# Altium PCB PCB1.PcbDoc (part 2 of 2)
Units mm, origin at the board's own origin, x right, y up, seen from the top; angles counter-clockwise.
Board outline 101.35 x 80.26 mm, 2 copper layers (Top Layer, Bottom Layer); 77 components, 109 nets, 309 pads, 77 vias.
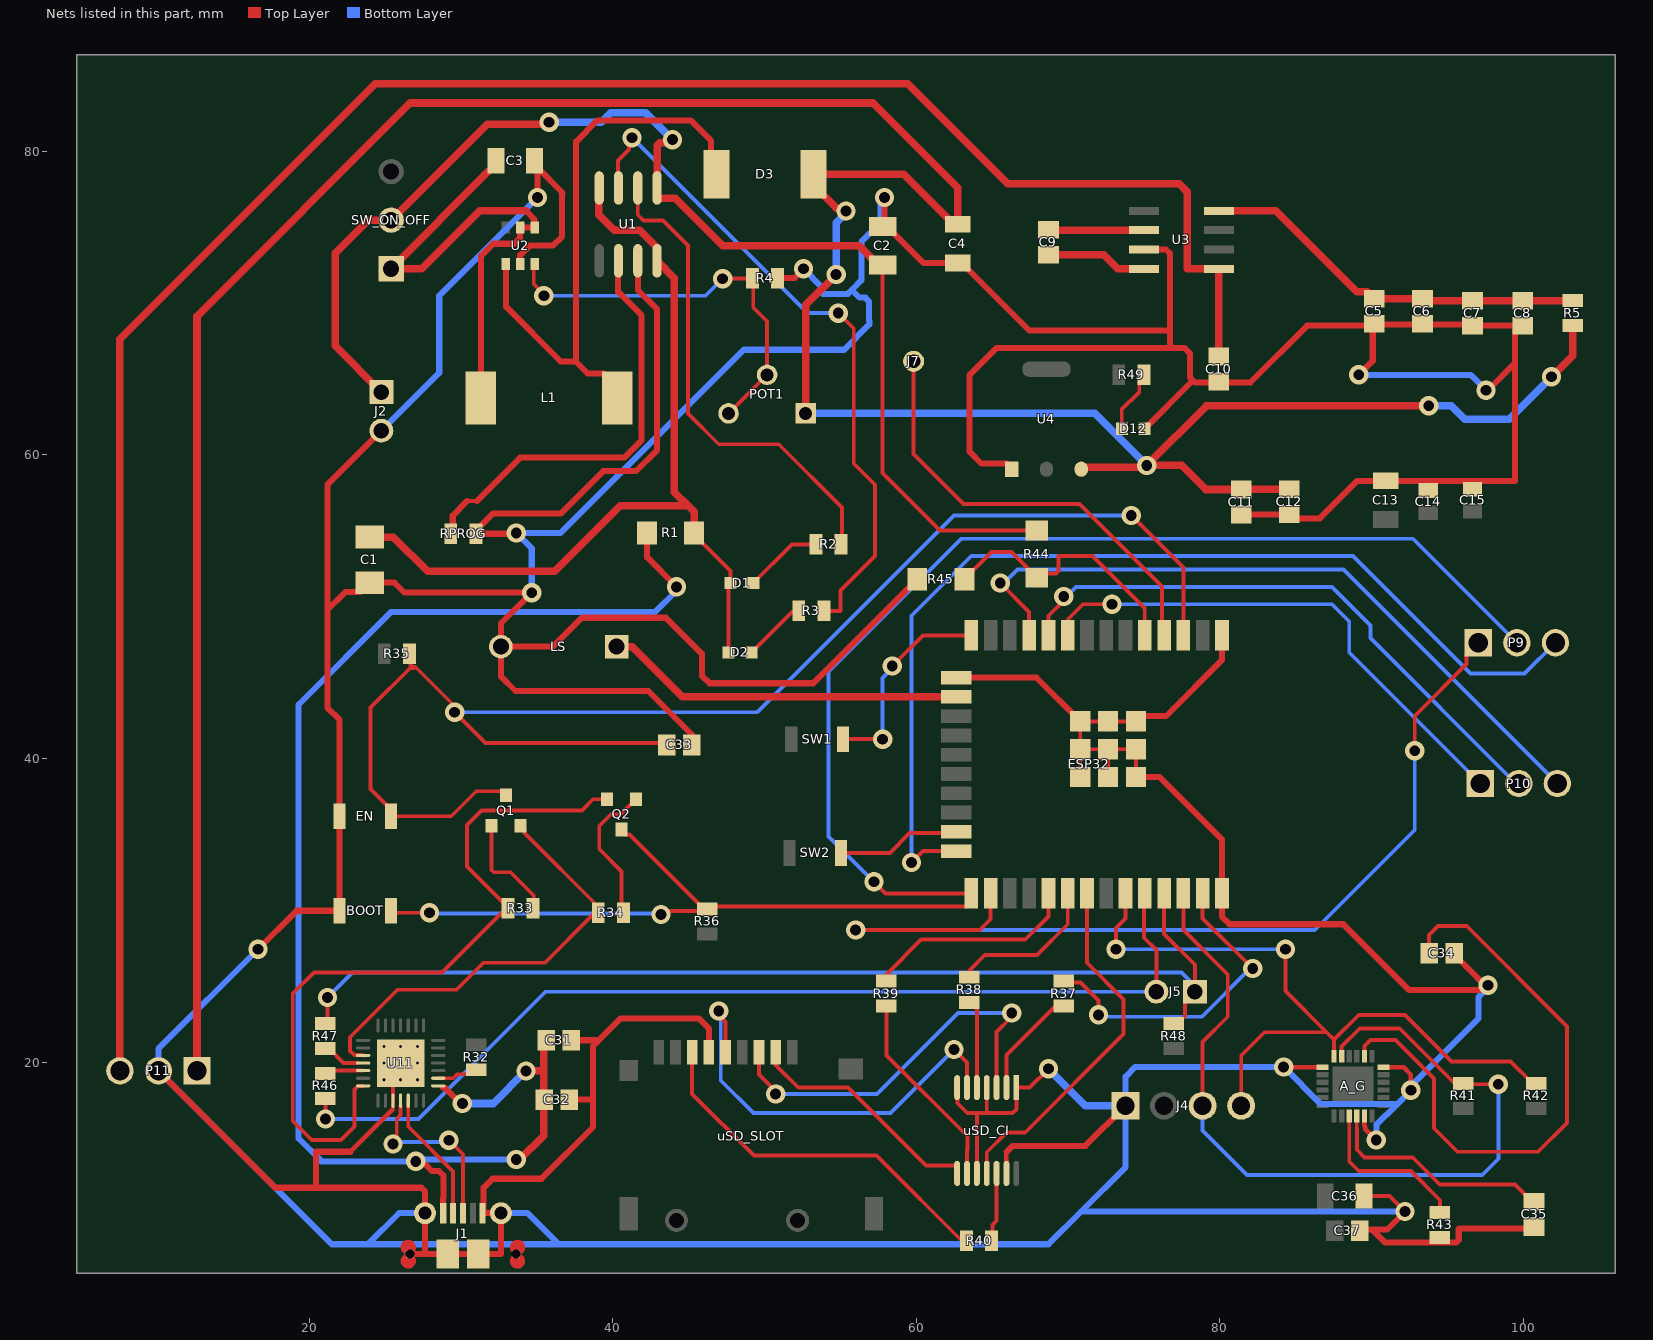
[diagram p2: the nets of this part, all layers, seen from the top]

## Via types
v1: diameter 1.27, hole 0.711, Top Layer to Bottom Layer, 64 vias
v2: diameter 0.5, hole 0.2, Top Layer to Bottom Layer, 13 vias

## Nets (pads, with @x,y where several pads share a name; then routed paths per layer and width w, separated by ;. In a path a pad name is that pad's centre, name@x,y a point inside that pad or via, vN(x,y) a via of type N, cw(c..) or ccw(c..) an arc to the next point about the centre after c; other vN are vias at no path point) (continued)
5V: C4.1 C11.2 C12.2 D3.1 P11.1 POT1.1 R5.1 U4.3 | length 211.4
  Top Layer w0.254: D3.1@53.243,77.746 D3.1@53.243,78.486 ; 54.722,76.267 55.178,76.267 v1(55.372,76.073) ; C4.1@62.462,75.19 C4.1@62.738,75.19 ; U4.3@70.87,59.062 U4.3@70.994,59.186 ; v1@75.061,59.186 v1(75.184,59.309) ; C11.2@81.407,57.723 C11.2@81.435,57.752
  Top Layer w0.5: P11.1@12.619,19.426 12.619,69.134 26.67,83.185 57.15,83.185 62.738,77.597 C4.1@62.738,75.19 ; POT1.1@52.717,62.738 52.717,69.877 v1(54.722,71.882) ; D3.1@53.243,77.746 54.722,76.267 ; D3.1@53.243,78.486 59.166,78.486 C4.1@62.462,75.19 ; U4.3@70.994,59.186 v1@75.061,59.186 ; C11.2@81.407,57.723 79.068,57.723 77.482,59.309 v1(75.184,59.309) 79.121,63.246 v1(93.765,63.246) ; C11.2@81.435,57.752 C12.2@84.582,57.752 ; v1(101.854,65.151) 103.251,66.548 R5.1@103.251,68.517
  Bottom Layer w0.254: v1@55.372,75.937 v1(55.372,76.073)
  Bottom Layer w0.5: POT1.1@52.717,62.738 71.755,62.738 v1(75.184,59.309) ; v1(54.722,71.882) 54.722,75.287 v1@55.372,75.937 ; v1(93.765,63.246) 95.25,63.246 96.139,62.357 99.06,62.357 v1(101.854,65.151)
"(LA\"+LL\")/2": 
(LA'+LL')/2: 
"(RA\"+LA\")/2": 
"(RA\"+LL\")/2": 
(RA'+LA')/2: 
(RA'+LL')/2: 
-5V: C10.2 P11.3 U3.5 | length 141.3
  Top Layer w0.254: C10.2@79.693,66.675 C10.2@79.935,66.917
  Top Layer w0.5: P11.3@7.539,19.426 7.539,67.628 24.366,84.455 59.436,84.455 66.04,77.851 77.321,77.851 77.851,77.321 77.851,72.263 U3.5@79.935,72.263 C10.2@79.935,66.917
BAT: C2.2 J2.1 R44.2 SW_ON_OFF.2 U1.5 | length 84.1
  Top Layer w0.254: v1@35.696,81.797 v1(35.814,81.915) ; U1.5@42.926,77.59 42.926,77.077 U1.5@43.086,76.917 ; v1@43.748,80.578 v1(43.942,80.772) ; C2.2@57.51,72.512 C2.2@57.785,72.512 ; C2.2@58.293,72.512 57.785,72.004 57.785,58.801 61.569,55.017 R44.2@67.945,55.017
  Top Layer w0.5: J2.1@24.765,64.135 21.717,67.183 21.717,73.279 23.901,75.463 SW_ON_OFF.2@25.408,75.463 31.741,81.797 v1@35.696,81.797 ; U1.5@42.926,77.59 42.926,80.391 43.113,80.578 v1@43.748,80.578 ; U1.5@43.086,76.917 44.114,76.917 47.244,73.787 56.235,73.787 C2.2@57.51,72.512
  Bottom Layer w0.5: v1(35.814,81.915) 39.243,81.915 39.878,82.55 42.164,82.55 v1(43.942,80.772)
"Battery Charge": ESP32.5 R44.1 R45.2 | length 17.7
  Top Layer w0.254: R45.2@63.171,51.816 64.949,53.594 66.268,53.594 R44.1@67.945,51.917 68.225,52.197 69.219,52.197 69.368,52.346 69.368,53.34 71.602,53.34 75.057,49.885 ESP32.5@75.057,48.115
BZZ: ESP32.16 LS.1 | length 23.7
  Top Layer w0.5: LS.1@40.259,47.371 41.275,47.371 44.586,44.06 ESP32.16@62.627,44.06
CS: ESP32.29 R39.1 | length 14.2
  Top Layer w0.254: R39.1@58.039,25.388 58.039,25.781 60.325,28.067 67.183,28.067 68.707,29.591 ESP32.29@68.707,31.115
CS_LLS: uSD_CI.8 uSD_SLOT.2 | length 16.6
  Top Layer w0.254: uSD_SLOT.2@50.737,21.248 50.737,19.812 52.23,18.319 55.499,18.319 60.639,13.179 62.634,13.179 62.693,13.12 uSD_CI.8@62.693,12.669
CTW: 
CTW': 
D0_LLS: R40.1 uSD_SLOT.7 | length 25.9
  Top Layer w0.254: uSD_SLOT.7@45.237,21.248 45.237,17.906 49.3,13.843 57.389,13.843 63.231,8.001 63.285,8.001 63.512,8.228 R40.1@63.512,8.128
D+: J1.3 U11.4 | length 11.7
  Top Layer w0.254: v1(25.535,14.605) 25.781,14.851 25.781,16.264 26.027,16.51 U11.4@26.027,17.116 ; v1(29.21,14.859) 30.139,13.93 J1.3@30.139,10.049
  Bottom Layer w0.254: v1(25.535,14.605) 25.662,14.732 29.083,14.732 v1(29.21,14.859)
D-: J1.2 U11.5 | length 8.6
  Top Layer w0.254: U11.5@26.535,17.464 26.535,15.754 29.489,12.8 J1.2@29.489,10.049
DI_LLS: uSD_CI.3 uSD_SLOT.3 | length 26.9
  Top Layer w0.254: uSD_SLOT.3@49.637,21.248 49.637,19.197 50.737,18.097 v1(50.737,17.906) ; uSD_CI.3@65.293,18.319 65.293,21.986 66.294,22.987 v1(66.294,23.241)
  Bottom Layer w0.254: v1(50.737,17.906) 57.403,17.906 62.738,23.241 v1(66.294,23.241)
GND: A_G.1 A_G.11 A_G.18 BOOT.1 C1.1 C2.1 C3.2 C4.2 C5.1 C6.1 C7.1 C8.1 C10.1 C11.1 C12.1 C13.1 C14.1 C15.1 C31.1 C32.1 C33.1 C34.2 C35.1 C36.2 C37.1 D12.1 EN.1 ESP32.1 ESP32.15 ESP32.38 ESP32.39 J1.5 J1.6 J1.7 J1.8 J1.9 J1.10 J1.11 J2.2 J4.1 LS.2 P11.2 R4.1 R43.1 R45.1 RPROG.1 U1.3 U2.2 U3.3 U4.1 U11.3 U11.29 uSD_CI.1 uSD_CI.4 uSD_CI.7 uSD_CI.10 uSD_CI.13 uSD_SLOT.6 | length 705.2
  Top Layer w0.254: 20.447,11.725 20.574,11.725 20.447,11.852 ; C1.1@23.38,50.963 C1.1@24.003,51.586 ; 25.516,16.89 25.516,17.445 U11.3@25.535,17.464 25.535,19.439 v2(26.035,19.939) ; J1.8@26.518,7.349 26.518,7.55 26.518,8.048 ; 27.639,7.523 27.813,7.349 ; RPROG.1@30.763,54.809 RPROG.1@30.789,54.809 ; J1.5@31.439,10.049 J1.5@31.443,10.049 ; v1@33.6,54.809 v1(33.655,54.864) ; C3.2@34.859,79.375 35.052,79.182 C3.2@35.052,78.906 ; 36.668,77.22 36.703,77.255 ; 38.886,21.439 38.989,21.336 ; C33.1@45.224,40.894 45.224,41.584 ; R4.1@50.537,71.628 R4.1@50.537,71.654 ; v1@52.578,72.237 v1(52.578,72.263) ; C2.1@57.912,75.189 C2.1@57.785,75.062 C2.1@58.06,75.062 ; R45.1@59.448,51.193 59.548,51.193 60.071,51.716 R45.1@60.071,51.816 ; uSD_CI.7@62.693,18.319 62.717,18.295 62.717,17.293 63.361,16.649 63.881,16.649 ; C4.2@62.738,72.638 C4.2@63.014,72.638 ; uSD_CI.10@63.993,12.669 63.993,16.537 63.881,16.649 ; uSD_CI.4@64.643,18.319 64.643,16.798 64.792,16.649 ; uSD_CI.13@65.943,12.669 65.967,12.693 uSD_CI.13@65.967,13.488 ; U4.1@65.981,59.437 66.29,59.128 U4.1@66.29,59.062 ; v1(68.707,19.558) 67.468,18.319 uSD_CI.1@66.593,18.319 66.593,16.891 66.351,16.649 64.792,16.649 ; ESP32.39@70.802,38.78 ESP32.39@70.802,40.615 ; ESP32.39@72.637,38.78 ESP32.39@72.637,40.615 ; ESP32.39@74.472,38.78 ESP32.39@74.472,40.615 ESP32.39@72.637,40.615 ; ESP32.39@74.821,42.799 ESP32.39@74.472,42.45 ESP32.39@72.637,42.45 ESP32.39@70.802,42.45 ESP32.39@70.802,40.615 ; 76.708,67.332 76.958,67.082 77.634,67.082 77.66,67.056 ; 78.2,64.877 78.2,64.929 ; v1(84.201,19.685) v1@84.211,19.675 ; C12.1@84.554,56.069 C12.1@84.582,56.097 ; A_G.1@86.763,19.675 A_G.1@86.773,19.665 ; C36.2@89.499,11.176 91.186,11.176 v1(92.202,10.16) ; 89.523,15.801 89.579,15.746 ; C5.1@90.009,68.516 C5.1@90.073,68.58 ; C34.2@95.442,27.077 C34.2@95.442,27.178 ; v1@97.357,24.765 v1@97.555,24.963 ; v1(97.536,64.262) v1@97.663,64.262 ; C8.1@99.441,68.296 C8.1@99.471,68.326 ; 63.881,16.649 64.792,16.649 ; ESP32.39@70.802,40.615 ESP32.39@72.637,40.615
  Top Layer w0.3: 22.723,14.097 25.516,16.89 ; uSD_CI.13@65.943,12.669 65.943,14.07 ; v1@84.211,19.675 A_G.1@86.763,19.675 ; 89.523,15.801 A_G.11@89.523,16.44 ; 89.579,15.746 89.579,15.589 v1(90.297,14.871) ; A_G.18@90.773,19.665 92.103,19.665 92.583,19.185 v1(92.583,18.142)
  Top Layer w0.4: P11.2@10.079,19.426 17.78,11.725 20.447,11.725 ; v1(16.637,27.432) 19.177,29.972 BOOT.1@22.008,29.972 EN.1@22.008,36.195 22.008,42.559 21.209,43.358 21.209,49.784 ; 20.447,11.852 20.447,14.097 22.723,14.097 ; 20.574,11.725 27.395,11.725 27.639,11.481 J1.6@27.639,10.049 27.639,7.523 ; C1.1@23.38,50.963 22.388,50.963 21.209,49.784 ; C1.1@24.003,51.586 25.63,51.586 26.289,50.927 v1(34.671,50.927) 32.639,48.895 LS.2@32.639,47.371 ; J2.2@24.765,61.595 21.209,58.039 21.209,49.784 ; J1.8@26.518,7.349 J1.8@26.639,7.349 27.813,7.349 J1.9@29.139,7.349 J1.10@31.139,7.349 32.639,7.349 J1.7@32.639,10.049 31.443,10.049 31.496,10.102 31.496,11.725 32.09,12.319 35.306,12.319 38.714,15.727 38.714,17.526 ; v1@33.6,54.809 RPROG.1@30.987,54.809 30.789,54.809 32.114,56.134 36.576,56.134 39.37,58.928 41.537,58.928 42.926,60.317 42.926,69.596 41.656,70.866 U1.3@41.656,72.79 ; U2.2@33.909,72.587 33.909,73.152 34.544,73.787 36.068,73.787 36.668,74.387 36.668,77.22 ; v1(35.052,76.962) 35.052,78.906 36.703,77.255 ; C32.1@37.149,17.526 38.714,17.526 ; C31.1@37.276,21.439 38.886,21.439 ; 45.224,41.584 42.358,44.45 33.6,44.45 32.639,45.411 LS.2@32.639,47.371 ; uSD_SLOT.6@46.337,21.248 46.337,22.224 45.701,22.86 40.513,22.86 38.989,21.336 38.714,21.061 38.714,17.526 ; R4.1@50.537,71.654 51.994,71.654 v1@52.578,72.237 ; C2.1@57.912,75.189 v1(57.912,76.962) ; C2.1@58.06,75.062 60.484,72.638 C4.2@62.738,72.638 ; R45.1@59.448,51.193 53.213,44.958 46.382,44.958 45.874,45.466 45.874,46.904 43.502,49.276 37.973,49.276 36.068,47.371 LS.2@32.639,47.371 ; ESP32.15@62.627,45.33 67.922,45.33 ESP32.39@70.802,42.45 ; C4.2@63.014,72.638 67.453,68.199 76.708,68.199 ; 65.943,14.07 66.351,14.478 71.14,14.478 J4.1@73.787,17.125 ; U4.1@65.981,59.437 64.289,59.437 63.512,60.214 63.512,65.278 65.29,67.056 77.66,67.056 78.041,66.675 78.041,65.088 78.2,64.929 78.359,64.77 82.009,64.77 85.755,68.516 C5.1@90.009,68.516 ; ESP32.39@74.472,38.78 76.028,38.78 80.137,34.671 ESP32.38@80.137,31.115 80.137,29.591 80.645,29.083 88.138,29.083 92.456,24.765 v1@97.357,24.765 ; ESP32.39@74.821,42.799 76.454,42.799 80.137,46.482 ESP32.1@80.137,48.115 ; U3.3@75.005,73.533 76.454,73.533 76.708,73.279 76.708,68.199 ; D12.1@75.045,61.722 78.2,64.877 ; 76.708,67.332 76.708,68.199 ; C11.1@81.407,56.069 C12.1@84.554,56.069 ; C12.1@84.582,56.097 84.856,55.823 86.579,55.823 89.049,58.293 93.726,58.293 ; v1(89.154,65.278) 90.073,66.197 90.073,68.58 96.582,68.58 C7.1@96.647,68.515 C8.1@99.949,68.515 ; C37.1@89.747,8.976 91.018,8.976 v1(92.202,10.16) ; 90.074,8.925 90.871,8.128 95.59,8.128 95.739,8.277 95.739,8.998 95.793,9.052 C35.1@100.995,9.052 ; C14.1@93.726,57.658 93.726,58.293 ; C34.2@95.442,27.077 96.247,26.272 v1@97.555,24.963 ; C15.1@96.647,57.75 96.647,58.293 ; v1@97.663,64.262 99.441,66.04 ; C8.1@99.441,68.296 99.441,66.04 ; 93.726,58.293 96.647,58.293 ; 96.647,58.293 99.441,58.293 99.441,66.04
  Bottom Layer w0.254: 56.896,68.834 56.918,68.812 ; v1@57.658,76.708 v1(57.912,76.962) ; v1(90.297,14.871) v1@90.309,14.883 ; 90.932,16.51 90.951,16.51 ; v1(92.583,18.142) v1@92.583,18.415 ; v1@97.663,24.904 v1(97.663,25.071)
  Bottom Layer w0.4: v1(16.637,27.432) 10.079,20.874 P11.2@10.079,19.426 21.504,8.001 23.876,8.001 ; J2.2@24.765,61.595 28.575,65.405 28.575,70.485 v1(35.052,76.962) ; J1.6@27.639,10.049 25.924,10.049 23.876,8.001 ; J1.7@32.639,10.049 34.401,10.049 36.449,8.001 ; v1(34.671,50.927) 34.671,53.848 v1(33.655,54.864) 36.576,54.864 48.641,66.929 55.245,66.929 56.918,68.602 56.918,68.812 ; v1(52.578,72.263) 53.721,71.12 53.721,70.761 53.87,70.612 55.499,70.612 55.753,70.866 ; 56.896,68.834 56.896,70.104 56.642,70.358 56.261,70.358 55.753,70.866 ; v1@57.658,76.708 57.658,75.311 56.388,74.041 56.388,71.501 55.753,70.866 ; v1(89.154,65.278) 96.52,65.278 v1(97.536,64.262) ; v1@90.309,14.883 90.309,15.887 90.932,16.51 ; 90.951,16.51 91.675,17.234 ; v1(92.202,10.16) 70.866,10.16 ; v1(92.583,18.142) 91.675,17.234 ; v1@92.583,18.415 97.028,22.86 97.028,24.269 v1@97.663,24.904 ; 23.876,8.001 36.449,8.001 ; 36.449,8.001 68.707,8.001 70.866,10.16 ; 70.866,10.16 73.787,13.081 J4.1@73.787,17.125 73.787,19.05 74.422,19.685 v1(84.201,19.685) 86.652,17.234 91.675,17.234
  Bottom Layer w0.5: v1(68.707,19.558) 71.14,17.125 J4.1@73.787,17.125
  other v2: 24.935,18.839 26.035,18.839 27.135,18.839 24.935,19.939 27.135,19.939 24.935,21.039 26.035,21.039 27.135,21.039
LA: 
"LA\"": 
LA': 
LL: 
"LL\"": 
LL': 
MISO: ESP32.31 uSD_CI.11 | length 23.9
  Top Layer w0.254: uSD_CI.11@64.643,12.669 64.643,14.067 65.943,15.367 67.183,15.367 73.66,21.844 73.66,24.13 71.247,26.543 ESP32.31@71.247,31.115
MOSI: ESP32.37 R37.1 | length 21.9
  Top Layer w0.254: R37.1@69.469,25.515 69.742,25.242 70.822,25.242 72.009,24.055 v1(72.009,23.114) ; ESP32.37@78.867,31.115 78.867,29.464 v1(82.169,26.162)
  Bottom Layer w0.254: v1@72.009,22.987 78.817,22.987 81.992,26.162 v1(82.169,26.162)
MUX1: 
MUX2: 
NetA_G_9: A_G.9 R43.2 | length 10.5
  Top Layer w0.254: A_G.9@88.523,16.44 88.523,13.458 89.154,12.827 92.583,12.827 94.512,10.898 R43.2@94.512,10.414
NetA_G_10: A_G.10 C35.2 | length 15.3
  Top Layer w0.254: A_G.10@89.023,16.44 89.023,15.634 89.031,15.626 89.031,14.224 89.539,13.716 92.71,13.716 94.488,11.938 99.455,11.938 100.598,10.795 C35.2@100.699,10.795
NetA_G_20: A_G.20 C34.1 | length 39.6
  Top Layer w0.254: A_G.20@89.523,20.39 89.523,21.07 89.916,21.463 91.567,21.463 94.107,18.923 94.107,15.645 95.655,14.097 100.965,14.097 102.87,16.002 102.87,22.352 96.266,28.956 94.361,28.956 93.788,28.383 C34.1@93.788,27.178
NetC1_2: C1.2 D1.2 D2.2 R1.1 U1.4 U1.8 | length 59
  Top Layer w0.254: U1.8@39.087,77.561 U1.8@39.116,77.59 ; U1.4@42.926,72.79 U1.4@42.926,73.661 ; R1.1@45.365,54.864 45.365,54.764 47.764,52.365 D1.2@47.764,51.562 47.637,51.435 D2.2@47.637,46.99
  Top Layer w0.5: C1.2@24.003,54.586 25.551,54.586 27.813,52.324 36.195,52.324 40.513,56.642 44.984,56.642 ; U1.8@39.087,77.561 39.087,75.819 40.102,74.804 41.783,74.804 U1.4@42.926,73.661 ; U1.4@42.926,72.79 44.069,71.647 44.069,57.557 44.984,56.642 ; R1.1@45.365,54.864 45.365,56.261 44.984,56.642
NetC3_1: C3.1 L1.1 SW_ON_OFF.1 U2.4 U2.5 | length 35.9
  Top Layer w0.254: C3.1@31.818,78.673 31.881,78.673 32.306,79.099 C3.1@32.306,79.375
  Top Layer w0.4: L1.1@31.314,63.754 31.314,73.097 32.131,73.914 33.528,73.914 33.909,74.295 U2.5@33.909,74.987 U2.4@34.859,74.987 34.859,75.504 34.29,76.073
  Top Layer w0.5: C3.1@31.818,78.673 SW_ON_OFF.1@25.408,72.263 27.432,72.263 31.242,76.073 34.29,76.073
NetC5_2: C5.2 C6.2 C7.2 C8.2 R5.2 U3.8 | length 25.8
  Top Layer w0.254: C5.2@89.718,70.748 C5.2@90.17,70.296 ; C6.2@93.345,70.296 C6.2@93.472,70.169 ; C8.2@99.949,70.169 C8.2@99.951,70.167
  Top Layer w0.5: U3.8@79.935,76.073 83.693,76.073 89.018,70.748 C5.2@89.718,70.748 ; C5.2@90.17,70.296 C6.2@93.345,70.296 ; C6.2@93.472,70.169 C7.2@96.647,70.169 C8.2@99.949,70.169 ; C8.2@99.951,70.167 R5.2@103.251,70.167
NetC9_1: C9.1 U3.4 | length 6.7
  Top Layer w0.5: C9.1@68.707,73.184 72.358,73.184 73.279,72.263 U3.4@75.005,72.263
NetC9_2: C9.2 U3.2 | length 6.3
  Top Layer w0.5: C9.2@68.708,74.803 U3.2@75.005,74.803
NetC16_2: 
NetC17_1: 
NetC18_1: 
NetC19_2: 
NetC22_2: 
NetC24_2: 
NetC25_1: 
NetC26_1: 
NetC27_1: 
NetC27_2: 
NetC29_2: 
NetC30_2: 
NetC33_2: C33.2 EN.2 ESP32.3 Q1.3 R35.2 | length 98.9
  Top Layer w0.254: R35.2@26.67,46.355 26.67,46.164 26.718,46.164 26.909,45.974 ; Q1.3@32.979,37.576 32.709,37.846 31.018,37.846 29.367,36.195 EN.2@25.408,36.195 25.408,36.645 24.054,37.999 24.054,43.358 26.67,45.974 26.909,45.974 ; C33.2@43.57,40.894 43.443,41.021 31.623,41.021 v1(29.591,43.053) 29.397,43.247 29.397,43.643 26.995,46.045 26.98,46.045 26.909,45.974 ; v1(74.168,56.007) 77.597,52.578 ESP32.3@77.597,48.115 ESP32.3@77.619,48.137
  Bottom Layer w0.254: v1(29.591,43.053) 49.53,43.053 62.484,56.007 v1(74.168,56.007)
NetD1_1: D1.1 R2.2 | length 5.2
  Top Layer w0.254: D1.1@49.264,51.562 51.804,54.102 R2.2@53.404,54.102
NetD2_1: D2.1 R3.2 | length 4.3
  Top Layer w0.254: D2.1@49.137,46.99 51.804,49.657 52.192,49.657 R3.2@52.261,49.726
NetD3_2: D3.2 L1.2 U2.1 | length 40
  Top Layer w0.254: U2.1@32.959,72.587 U2.1@32.979,72.567 ; 37.551,66.167 37.592,66.167 ; L1.2@39.441,65.377 40.314,64.504 L1.2@40.314,63.754 ; D3.2@46.482,78.837 D3.2@46.833,78.486
  Top Layer w0.4: U2.1@32.979,72.567 32.979,69.753 36.565,66.167 37.551,66.167 38.341,65.377 L1.2@39.441,65.377 ; 37.592,66.167 37.592,80.645 38.989,82.042 45.145,82.042 46.482,80.705 D3.2@46.482,78.837
NetD10_2: 
NetD12_2: D12.2 R49.2 | length 4.2
  Top Layer w0.254: D12.2@73.545,61.722 73.533,61.734 73.533,62.992 74.695,64.154 74.695,64.98 R49.2@74.993,65.278
NetPOT1_2: POT1.2 POT1.3 R4.2 U2.3 | length 27
  Top Layer w0.254: U2.3@34.859,72.587 34.798,72.526 34.798,71.252 35.468,70.582 v1(35.468,70.485) ; v1(47.244,71.607) 47.265,71.628 R4.2@49.213,71.628 R4.2@49.285,71.628 ; POT1.3@47.637,62.738 POT1.2@50.177,65.278 50.177,68.81 49.264,69.723 R4.2@49.264,71.607
  Bottom Layer w0.254: v1(35.468,70.485) 46.122,70.485 v1(47.244,71.607)
NetPOT2_1: 
NetPOT2_3: 
NetPOT5_3: 
NetPOT6_2: 
NetPOT7_3: 
NetPOT8_2: 
NetPOT9_2: 
NetQ1_1: Q1.1 R33.2 | length 7.3
  Top Layer w0.254: Q1.1@32.029,35.576 32.029,32.661 32.178,32.512 33.274,32.512 34.798,30.988 34.798,30.17 R33.2@34.754,30.126
NetQ1_2: Q1.2 R34.1 U11.24 | length 29.4
  Top Layer w0.254: U11.24@23.56,20.439 23.541,20.458 22.986,20.458 22.704,20.74 22.704,21.638 25.831,24.765 29.718,24.765 31.496,26.543 35.531,26.543 38.714,29.726 38.814,29.726 39.087,29.999 39.087,30.099 39.087,30.199 34.202,35.084 34.202,35.303 Q1.2@33.929,35.576
NetQ2_1: Q2.1 R34.2 | length 9.3
  Top Layer w0.254: R34.2@40.587,30.099 40.587,32.565 39.116,34.036 39.116,35.56 39.878,36.322 40.537,36.322 41.214,36.999 41.264,36.999 41.537,37.272 Q2.1@41.537,37.322
NetQ2_2: Q2.2 R33.1 U11.28 | length 49.3
  Top Layer w0.254: U11.28@23.56,18.439 23.239,18.439 22.987,18.187 22.987,18.165 22.986,18.164 22.986,15.754 22.103,14.871 20.181,14.871 18.923,16.129 18.923,24.511 20.32,25.908 28.761,25.908 32.979,30.126 32.979,30.326 30.412,32.893 30.412,35.619 31.369,36.576 37.973,36.576 38.719,37.322 Q2.2@39.637,37.322
NetR2_1: R2.1 U1.6 | length 32.2
  Top Layer w0.254: U1.6@41.656,77.59 41.656,75.819 42.037,75.438 43.307,75.438 44.958,73.787 44.958,62.738 46.99,60.706 50.939,60.706 55.109,56.536 R2.1@55.109,53.975
NetR3_1: R3.1 U1.7 | length 44.7
  Top Layer w0.254: U1.7@40.386,77.59 40.364,77.613 40.364,79.397 41.081,80.114 41.081,80.705 v1(41.275,80.899) ; R3.1@53.911,49.726 54.98,49.726 55.015,49.76 55.015,51.078 57.277,53.34 57.277,58.039 55.88,59.436 55.88,68.326 v1(54.864,69.342)
  Bottom Layer w0.254: v1(41.275,80.899) 52.832,69.342 v1(54.864,69.342)
NetR20_2: 
NetR21_2: 
NetR32_2: R32.2 U11.9 | length 2.7
  Top Layer w0.254: U11.9@28.51,18.939 29.497,18.939 29.755,19.197 30.72,19.197 R32.2@31.018,19.495
NetR37_2: R37.2 uSD_CI.2 | length 7.1
  Top Layer w0.254: uSD_CI.2@65.943,18.319 65.943,20.462 69.369,23.888 R37.2@69.469,23.888
NetR38_2: R38.2 uSD_CI.5 | length 5.8
  Top Layer w0.254: R38.2@63.5,23.888 63.6,23.888 63.993,23.495 uSD_CI.5@63.993,18.319
NetR39_2: R39.2 uSD_CI.9 | length 13.4
  Top Layer w0.254: R39.2@58.039,23.888 58.039,20.447 63.373,15.113 63.373,14.242 63.343,14.212 uSD_CI.9@63.343,12.669
NetR40_2: R40.2 uSD_CI.12 | length 4.7
  Top Layer w0.254: R40.2@65.012,8.128 65.012,9.271 65.293,9.552 uSD_CI.12@65.293,12.669 uSD_CI.12@65.285,12.661
NetR46_1: R46.1 U11.26 | length 2.6
  Top Layer w0.254: R46.1@21.082,19.264 21.257,19.439 U11.26@23.56,19.439
NetR47_1: R47.1 U11.25 | length 2.5
  Top Layer w0.254: R47.1@21.082,20.892 21.332,20.892 22.277,19.947 23.198,19.947 U11.25@23.201,19.95
NetRPROG_2: RPROG.2 U1.2 | length 28.2
  Top Layer w0.254: RPROG.2@29.337,54.809 RPROG.2@29.464,54.936 ; 30.432,56.975 31.067,56.975 ; U1.2@40.364,72.768 U1.2@40.386,72.79
  Top Layer w0.4: RPROG.2@29.464,54.936 29.464,56.007 30.432,56.975 ; 31.067,56.975 33.909,59.817 40.767,59.817 41.91,60.96 41.91,69.193 40.364,70.739 U1.2@40.364,72.768
OUT1: 
OUT2: 
OUT3: 
OUT4: 
OUT5: 
OUT6: 
OUT7: 
OUT8: ESP32.4 J7.1 | length 29.4
  Top Layer w0.254: J7.1@59.823,66.167 59.823,60.065 63.119,56.769 70.763,56.769 76.2,51.332 76.2,48.242 ESP32.4@76.327,48.115
RA: 
"RA\"": 
RA': 
RL: 
RL': 
RX: ESP32.34 J5.2 R46.2 | length 66.7
  Top Layer w0.254: v1(21.082,16.256) R46.2@21.082,17.614 R46.2@21.332,17.614 ; ESP32.34@75.057,31.115 75.005,31.063 75.005,28.194 75.819,27.38 J5.2@75.819,24.638
  Bottom Layer w0.254: v1(21.082,16.256) 27.203,16.256 35.585,24.638 J5.2@75.819,24.638
S0_1: ESP32.26 P9.1 | length 64.5
  Top Layer w0.254: v1(56.007,28.702) 64.187,28.702 64.897,29.412 ESP32.26@64.897,31.115 ; v1(92.837,40.513) 92.837,42.799 96.255,46.217 96.255,46.852 P9.1@97.028,47.625
  Bottom Layer w0.254: v1(56.007,28.702) 86.253,28.702 92.837,35.286 v1(92.837,40.513)
S0_2: ESP32.9 P10.1 | length 34.7
  Top Layer w0.254: ESP32.9@69.977,48.115 69.977,49.149 70.993,50.165 v1(72.898,50.165)
  Bottom Layer w0.254: v1(72.898,50.165) 87.384,50.165 88.523,49.026 88.523,46.986 P10.1@97.155,38.354
S1_1: BOOT.2 ESP32.25 P9.2 Q2.3 R36.2 | length 120.5
  Top Layer w0.254: BOOT.2@25.408,29.972 25.535,29.845 v1(27.94,29.845) ; Q2.3@40.587,35.322 40.587,35.272 40.86,34.999 41.101,34.999 R36.2@45.874,30.226 ; v1(43.18,29.726) 43.455,29.726 43.682,29.953 45.701,29.953 45.974,30.226 R36.2@45.874,30.226 ; v1(57.212,31.877) 57.974,31.115 ESP32.25@63.627,31.115 63.627,30.565 63.304,30.242 45.89,30.242 R36.2@45.874,30.226
  Bottom Layer w0.254: v1(27.94,29.845) 27.999,29.786 43.12,29.786 v1(43.18,29.726) ; v1(57.212,31.877) 54.229,34.86 54.229,45.72 62.992,54.483 92.71,54.483 P9.2@99.568,47.625
S1_2: ESP32.10 P10.2 | length 39.6
  Top Layer w0.254: ESP32.10@68.707,48.115 68.707,49.403 69.723,50.419 v1(69.723,50.673)
  Bottom Layer w0.254: v1(69.723,50.673) 69.89,50.673 70.525,51.308 87.376,51.308 89.916,48.768 89.916,47.932 99.213,38.634 98.933,38.354 P10.2@99.695,38.354
S2_1: ESP32.24 P9.3 | length 67.6
  Top Layer w0.254: v1(59.69,33.147) 60.452,33.909 62.618,33.909 ESP32.24@62.627,33.9
  Bottom Layer w0.254: v1(59.69,33.147) 59.69,49.403 63.627,53.34 88.773,53.34 96.52,45.593 100.076,45.593 P9.3@102.108,47.625
S2_2: ESP32.11 P10.3 | length 47.1
  Top Layer w0.254: v1(65.532,51.562) 67.437,49.657 ESP32.11@67.437,48.115
  Bottom Layer w0.254: v1(65.532,51.562) 65.786,51.562 66.675,52.451 88.138,52.451 P10.3@102.235,38.354
SCK: ESP32.30 R38.1 | length 10.4
  Top Layer w0.254: R38.1@63.5,25.388 63.5,26.035 64.516,27.051 67.945,27.051 69.977,29.083 ESP32.30@69.977,31.115
SCK_LLS: uSD_CI.6 uSD_SLOT.5 | length 27.8
  Top Layer w0.254: v1(46.99,23.368) 46.99,23.093 47.437,22.646 uSD_SLOT.5@47.437,21.248 ; v1(62.484,20.828) 63.343,19.969 uSD_CI.6@63.343,18.319
  Bottom Layer w0.254: v1(46.99,23.368) 47.117,23.241 47.117,18.796 49.276,16.637 58.293,16.637 v1(62.484,20.828)
SCL: A_G.23 ESP32.36 J4.3 R41.2 | length 56.7
  Top Layer w0.254: ESP32.36@77.597,31.115 77.597,28.702 80.518,25.781 80.518,22.987 78.867,21.336 J4.3@78.867,17.125 ; A_G.23@88.023,20.39 88.023,21.029 89.219,22.225 91.848,22.225 95.658,18.415 95.758,18.415 95.948,18.605 R41.2@96.031,18.605 96.094,18.542 v1(98.346,18.542)
  Bottom Layer w0.254: J4.3@78.867,17.125 78.867,15.494 81.788,12.573 97.282,12.573 98.346,13.637 v1(98.346,18.542)
SDA: A_G.24 ESP32.33 J4.4 R42.2 | length 48.9
  Top Layer w0.254: v1(73.152,27.432) 73.152,28.829 73.787,29.464 ESP32.33@73.787,31.115 ; J4.4@81.407,17.125 81.407,20.447 82.931,21.971 87.035,21.971 ; v1(84.328,27.432) 84.328,24.678 87.035,21.971 ; A_G.24@87.523,20.39 87.523,21.483 ; R42.2@100.838,18.605 100.588,18.605 99.145,20.048 95.268,20.048 92.202,23.114 89.154,23.114 87.523,21.483 ; 87.035,21.971 87.523,21.483
  Bottom Layer w0.254: v1(73.152,27.432) v1(84.328,27.432)
SW1: ESP32.14 SW1.1 | length 13.7
  Top Layer w0.254: SW1.1@55.167,41.275 v1(57.785,41.275) ; v1(58.42,46.101) 60.434,48.115 ESP32.14@63.627,48.115
  Bottom Layer w0.254: v1(57.785,41.275) 57.785,45.299 58.42,45.934 v1(58.42,46.101)
SW2: ESP32.23 SW2.1 | length 8.2
  Top Layer w0.254: SW2.1@55.04,33.782 58.261,33.782 59.563,35.084 62.541,35.084 ESP32.23@62.627,35.17
TX: ESP32.35 J5.1 R47.2 R48.2 | length 70.5
  Top Layer w0.254: R47.2@21.082,22.542 21.209,22.669 v1(21.209,24.257) ; ESP32.35@76.327,31.115 76.327,28.448 78.359,26.416 J5.1@78.359,24.638 77.701,23.98 77.701,23.031 77.212,22.542 R48.2@76.962,22.542
  Bottom Layer w0.254: v1(21.209,24.257) 22.86,25.908 77.47,25.908 78.359,25.019 J5.1@78.359,24.638
VBUS: C31.2 C32.2 J1.1 R1.2 U11.8 | length 97.4
  Top Layer w0.254: v1(27.035,13.462) 27.229,13.268 27.65,13.268 ; 28.839,11.049 28.86,11.07 ; v1@29.998,17.272 v1(30.099,17.272) ; v1(33.655,13.589) v1@33.892,13.589 ; 35.457,19.42 35.468,19.431 ; 35.468,15.165 35.468,15.24
  Top Layer w0.3: 28.761,18.288 28.982,18.288
  Top Layer w0.4: 27.65,13.268 28.091,12.827 28.553,12.827 28.86,12.52 28.86,11.07 ; J1.1@28.835,10.049 28.835,11.045 28.839,11.049 ; 28.982,18.288 v1@29.998,17.272 ; R1.2@42.265,54.864 42.265,53.25 v1(44.207,51.308)
  Top Layer w0.5: v1@33.892,13.589 35.468,15.165 ; v1(34.29,19.42) 35.457,19.42 ; 35.468,15.24 35.468,19.431 C31.2@35.468,21.248
  Bottom Layer w0.254: v1@33.474,13.77 v1(33.655,13.589) ; v1@44.207,51.065 v1(44.207,51.308)
  Bottom Layer w0.4: v1(27.035,13.462) 20.828,13.462 19.304,14.986 19.304,43.552 25.409,49.657 42.799,49.657 v1@44.207,51.065 ; v1@27.343,13.77 27.524,13.589 33.293,13.589 v1@33.474,13.77
  Bottom Layer w0.5: v1(30.099,17.272) 32.142,17.272 v1(34.29,19.42)
pads on no net: A_G.2 A_G.3 A_G.4 A_G.5 A_G.6 A_G.7 A_G.12 A_G.14 A_G.15 A_G.16 A_G.17 A_G.19 A_G.21 A_G.22 A_G.25 ESP32.6 ESP32.7 ESP32.8 ESP32.12 ESP32.13 ESP32.17 ESP32.18 ESP32.19 ESP32.20 ESP32.21 ESP32.22 ESP32.27 ESP32.28 ESP32.32 J1.4 SW_ON_OFF.3 U1.1 U2.6 U3.1 U3.6 U3.7 U11.1 U11.2 U11.10 U11.11 U11.12 U11.13 U11.14 U11.15 U11.16 U11.17 U11.18 U11.19 U11.20 U11.21 U11.22 U11.23 U11.27 uSD_SLOT. uSD_SLOT.1 uSD_SLOT.8 uSD_SLOT.9 uSD_SLOT.GND
copper on no net:
  other v2: 88.223,17.865 89.323,17.865 88.223,18.965 89.323,18.965

## Polygon pours and split planes (outlines as drawn)
GND on Bottom Layer "POWER-GND" (solid, pour order 2): 4.699,6.096 106.045,6.096 106.045,86.36 4.699,86.36
GND on Top Layer "POWER-GND" (solid, pour order 3): 4.699,6.096 106.045,6.096 106.045,86.36 4.699,86.36

## Silkscreen, mask and mechanical layers (free items; w line width, h text height)
Top Overlay:
  region: 2425 vertices and 0 holes, not listed, extent 8.866,31.394 15.063,36.668
  text "11/2022" at 16.383,51.435 h2.5 r90
  text "IOT HOLTER MONITOR" at 10.16,42.545 h3 r90
  text "DESIGNED BY DAMIAN GOMEZ" at 12.954,39.497 h2.5 r90

## Text inside footprints (layer, text, board x,y; h text height)
J1: Mechanical 1 "PCB EDGE" at 22.939,5.799 h0.3
LS: Top Overlay "+" at 45.085,48.133 h1.52 r180